# KiCad board CPU2908C3bak.kicad_pcb (continued)
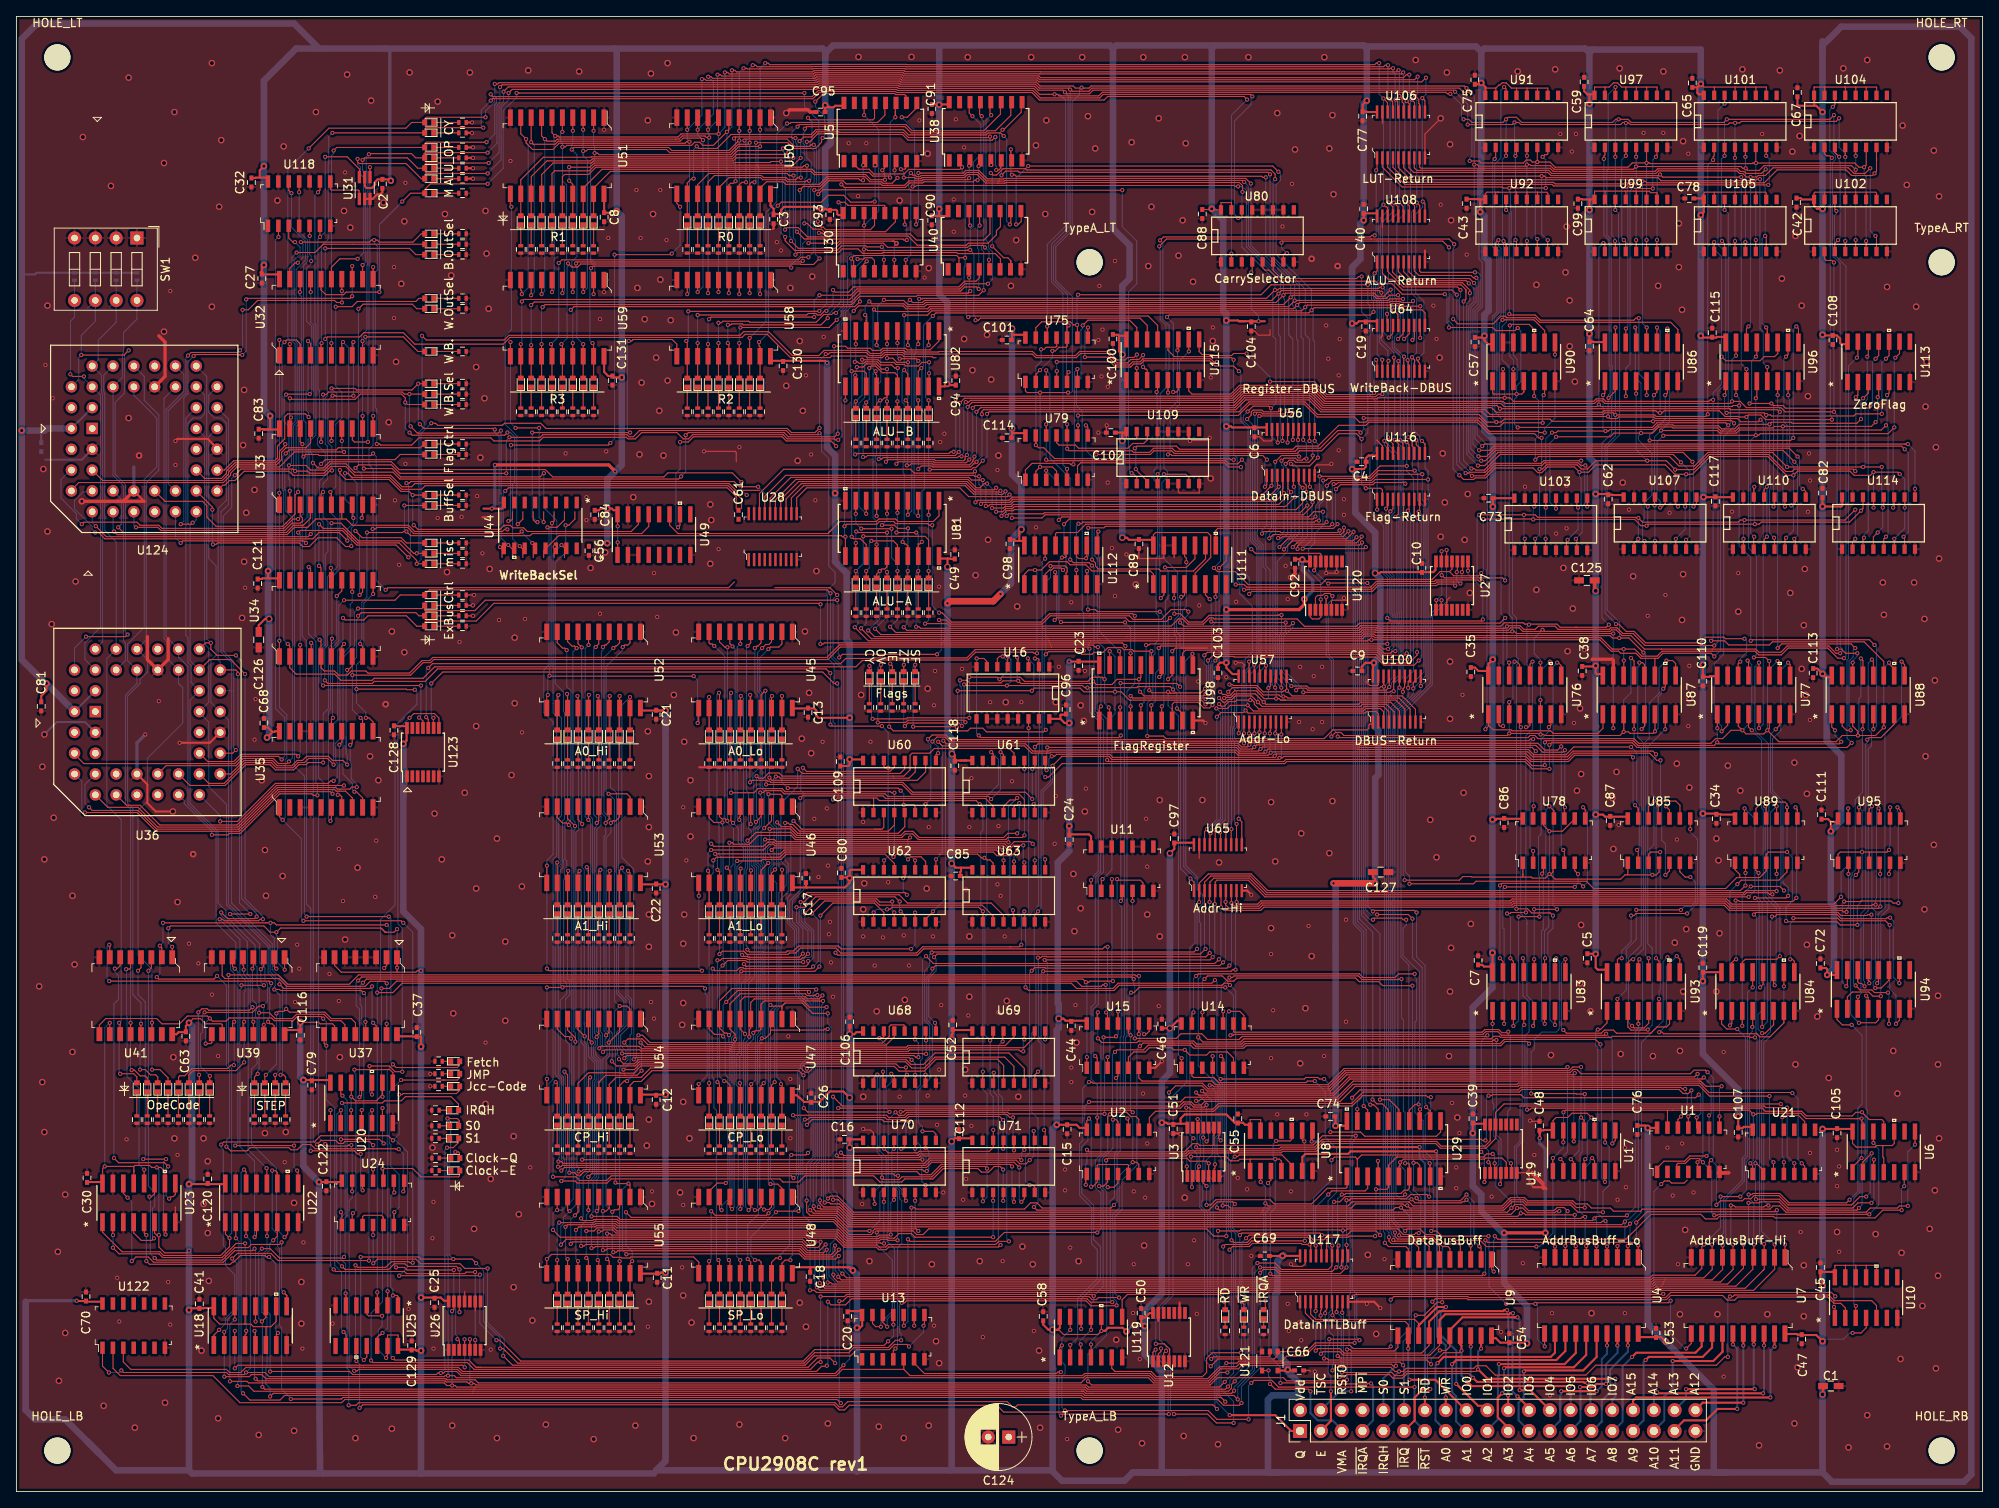
[diagram p0: board, top side]
## Placement (name value [footprint] x y rotation side) (continued)
R175  47K  [R_0402]  32.86 45.39 90 top
R176  47K  [R_0402]  31.59 45.39 90 top
R177  47K  [R_0402]  30.32 45.39 90 top
R178  47K  [R_0402]  29.05 45.39 90 top
R179  47K  [R_0402]  23.59 45.39 90 top
R180  47K  [R_0402]  22.32 45.39 90 top
R181  47K  [R_0402]  21.05 45.39 90 top
R182  47K  [R_0402]  19.78 45.39 90 top
R183  47K  [R_0402]  18.51 45.39 90 top
R184  47K  [R_0402]  17.24 45.39 90 top
R185  47K  [R_0402]  15.97 45.39 90 top
R186  47K  [R_0402]  14.7 45.39 90 top
R187  47K  [R_0402]  51.53 50.98 0 top
R188  47K  [R_0402]  51.53 49.46 0 top
R189  47K  [R_0402]  51.15 46.54 0 top
R190  47K  [R_0402]  51.53 52.51 0 top
S0  LED_G  [LED_0402]  53.44 44.63 0 top
S1  LED_G  [LED_0402]  53.44 43.11 0 top
SW1  SW_DIP_x04  [SW_DIP_x4_W7.62mm_Slide]  14.72 152.96 270 top
TypeA_LB  -  [MountingHole_3.2mm_M3]  131 5 0 top
TypeA_LT  -  [MountingHole_3.2mm_M3]  131 150 0 top
TypeA_RT  -  [MountingHole_3.2mm_M3]  235 150 0 top
U1  74HC08D  [SOIC-14_W3.9mm]  204.07 41.71 0 top
U2  74HC08D  [SOIC-14_W3.9mm]  134.46 41.46 0 top
U3  TC74VHCT04AFT  [TSSOP-14_4.4x5mm_Pitch0.65mm]  144.88 41.46 90 top
U4  TC74VHC574F  [SOIC-20_W7.5mm]  192.25 23.93 270 top
U5  CD74HC253  [SOIC-16W_5.3x10.2mm_Pitch1.27mm]  105.46 165.89 90 top
U6  74HC74  [MC74HC74ADG]  227.94 41.46 90 top
U7  TC74VHC574F  [SOIC-20_W7.5mm]  210.16 23.93 270 top
U8  TC74HC125  [SN74HC11D]  154.4 41.58 90 top
U9  TC74VHC574F  [SOIC-20_W7.5mm]  174.34 23.68 270 top
U10  MC74HC74A  [MC74HC74ADG]  225.78 23.68 90 top
U11  74HC86  [SOIC-14_W3.9mm]  134.97 76 0 top
U12  TC74VHCT04AFT  [TSSOP-14_4.4x5mm_Pitch0.65mm]  140.69 18.85 90 top
U13  74HC08D  [SOIC-14_W3.9mm]  107.03 18.85 0 top
U14  74HC21  [SOIC-14_W3.9mm]  146.02 54.41 0 top
U15  74HC32  [SOIC-14_W3.9mm]  134.46 54.41 0 top
U16  74HC153  [SO-16-N]  121.64 97.46 180 top
U17  MC74HC74A  [MC74HC74ADG]  191.36 41.58 90 top
U18  74HC157  [SN74HC157DR]  28.55 20.25 90 top
U19  TC74VHCT04AFT  [TSSOP-14_4.4x5mm_Pitch0.65mm]  181.2 41.84 90 top
U20  -  [SN74HC11D]  42.13 47.43 90 top
U21  74HC08D  [SOIC-14_W3.9mm]  215.74 41.46 0 top
U22  74HC157  [SN74HC157DR]  29.94 35.23 90 top
U23  74HC157  [SN74HC157DR]  14.96 35.23 90 top
U24  74HC32  [SOIC-14_W3.9mm]  43.53 35.23 0 top
U25  74HC74  [MC74HC74ADG]  42.77 20.25 270 top
U26  TC74VHCT04AFT  [TSSOP-14_4.4x5mm_Pitch0.65mm]  54.71 20.25 90 top
U27  TC74VHCT04AFT  [TSSOP-14_4.4x5mm_Pitch0.65mm]  175.23 110.55 90 top
U28  TC74VHCT541  [TSSOP-20_W4.4mm]  92.32 116.52 0 top
U29  SN74HCT574  [SN74HCT574NSR]  168.12 41.84 90 top
U30  CD74HC253  [SOIC-16W_5.3x10.2mm_Pitch1.27mm]  105.37 152.45 90 top
U31  NC7SZ58  [SOT-363_SC-70-6_Handsoldering]  42.52 159.06 90 top
U32  74HCT273D  [SOIC-20_W7.5mm]  37.82 143.3 90 top
U33  74HCT273D  [SOIC-20_W7.5mm]  37.82 125.06 90 top
U34  74HCT273D  [SOIC-20_W7.5mm]  37.82 106.55 90 top
U35  74HCT273D  [SOIC-20_W7.5mm]  37.82 88.13 90 top
U36  AT27C1024-45JU  [PLCC44]  15.99 93.91 0 top
U37  TC74HC161  [SOIC-16_W7.5mm]  42.01 60.51 180 top
U38  CD74HC253  [SOIC-16W_5.3x10.2mm_Pitch1.27mm]  118.31 165.98 90 top
U39  TC74HC161  [SOIC-16_W7.5mm]  28.29 60.51 180 top
U40  CD74HC253  [SOIC-16W_5.3x10.2mm_Pitch1.27mm]  118.17 152.7 90 top
U41  TC74HC161  [SOIC-16_W7.5mm]  14.57 60.51 180 top
U44  TC74HC238D  [74HC238D]  63.95 117.89 270 top
U45  TC74VHC574F  [SOIC-20_W7.5mm]  89 100.26 270 top
U46  TC74VHC574F  [SOIC-20_W7.5mm]  89 78.92 270 top
U47  TC74VHC574F  [SOIC-20_W7.5mm]  89 53.01 270 top
U48  TC74VHC574F  [SOIC-20_W7.5mm]  89 31.3 270 top
U49  74HC139  [MC74HC139ADR2G]  77.82 116.77 90 top
U50  TC74VHC574F  [SOIC-20_W7.5mm]  86.33 163 270 top
U51  TC74VHC574F  [SOIC-20_W7.5mm]  66.01 163 270 top
U52  TC74VHC574F  [SOIC-20_W7.5mm]  70.45 100.26 270 top
U53  TC74VHC574F  [SOIC-20_W7.5mm]  70.45 78.92 270 top
U54  TC74VHC574F  [SOIC-20_W7.5mm]  70.45 53.01 270 top
U55  TC74VHC574F  [SOIC-20_W7.5mm]  70.45 31.3 270 top
U56  TC74VHCT541  [TSSOP-20_W4.4mm]  155.54 126.8 0 top
U57  TC74VHCT541  [TSSOP-20_W4.4mm]  152.12 96.7 0 top
U58  TC74VHC574F  [SOIC-20_W7.5mm]  86.33 143.18 270 top
U59  TC74VHC574F  [SOIC-20_W7.5mm]  66.01 143.18 270 top
U60  74HC153  [SO-16-N]  107.79 86.03 0 top
U61  74HC153  [SO-16-N]  121.13 86.03 0 top
U62  74HC153  [SO-16-N]  107.79 72.7 0 top
U63  74HC153  [SO-16-N]  121.13 72.7 0 top
U64  TC74VHCT541  [TSSOP-20_W4.4mm]  169.01 139.5 0 top
U65  TC74VHCT541  [TSSOP-20_W4.4mm]  146.66 76.13 0 top
U68  74HC153  [SO-16-N]  107.79 53.01 0 top
U69  74HC153  [SO-16-N]  121.13 53.01 0 top
U70  74HC153  [SO-16-N]  107.79 39.68 0 top
U71  74HC153  [SO-16-N]  121.13 39.68 0 top
U75  74HC32  [SOIC-14_W3.9mm]  126.97 138.1 0 top
U76  74HC157  [SN74HC157DR]  184.12 97.21 90 top
U77  74HC157  [SN74HC157DR]  212.06 97.21 90 top
U78  74HC08D  [SOIC-14_W3.9mm]  187.68 79.43 0 top
U79  74HC08D  [SOIC-14_W3.9mm]  126.97 126.17 0 top
U80  74HC153  [SO-16-N]  151.48 153.22 0 top
U81  74HC377  [SN74HC377NSR]  106.9 117.53 270 top
U82  74HC377  [SN74HC377NSR]  106.9 138.23 270 top
U83  CD74HC283  [CD74HC283M96]  184.63 61.01 90 top
U84  CD74HC283  [CD74HC283M96]  212.57 61.01 90 top
U85  74HC08D  [SOIC-14_W3.9mm]  200.5 79.43 0 top
U86  CD74HC283  [CD74HC283M96]  198.34 137.85 90 top
U87  74HC157  [SN74HC157DR]  198.09 97.21 90 top
U88  74HC157  [SN74HC157DR]  226.03 97.21 90 top
U89  74HC08D  [SOIC-14_W3.9mm]  213.58 79.43 0 top
U90  SN74AHC86  [SN74AHC86D]  183.99 137.85 90 top
U91  74HC153  [SO-16-N]  183.74 167.19 0 top
U92  74HC153  [SO-16-N]  183.74 154.49 0 top
U93  CD74HC283  [CD74HC283M96]  198.6 61.01 90 top
U94  CD74HC283  [CD74HC283M96]  226.66 61.27 90 top
U95  74HC08D  [SOIC-14_W3.9mm]  226.16 79.43 0 top
U96  CD74HC283  [CD74HC283M96]  213.08 137.85 90 top
U97  74HC153  [SO-16-N]  197.07 167.19 0 top
U98  74HC377  [SN74HC377NSR]  137.89 97.46 90 top
U99  74HC153  [SO-16-N]  197.07 154.49 0 top
U100  TC74VHCT541  [TSSOP-20_W4.4mm]  168.5 96.7 0 top
U101  74HC153  [SO-16-N]  210.41 167.19 0 top
U102  74HC153  [SO-16-N]  223.87 154.49 0 top
U103  74HC153  [SO-16-N]  187.29 118.04 0 top
U104  74HC153  [SO-16-N]  223.87 167.19 0 top
U105  74HC153  [SO-16-N]  210.41 154.49 0 top
U106  TC74VHCT541  [TSSOP-20_W4.4mm]  169.01 165.54 0 top
U107  74HC153  [SO-16-N]  200.63 118.17 0 top
U108  TC74VHCT541  [TSSOP-20_W4.4mm]  169.01 152.84 0 top
U109  74HC153  [SO-16-N]  139.92 126.17 0 top
U110  74HC153  [SO-16-N]  213.97 118.17 0 top
U111  74HC157  [SN74HC157DR]  143.23 113.08 90 top
U112  74HC157  [SN74HC157DR]  127.48 113.08 90 top
U113  TC74HC4078  [SN74HC11D]  227.32 137.85 90 top
U114  74HC153  [SO-16-N]  227.3 118.17 0 top
U115  74HC139  [MC74HC139ADR2G]  139.92 138.1 90 top
U116  TC74VHCT541  [TSSOP-20_W4.4mm]  169.01 123.88 0 top
U117  TC74VHCT541  [TSSOP-20_W4.4mm]  159.61 25.96 0 top
U118  MC74ACT125  [SOIC-14_W3.9mm]  34.51 157.15 0 top
U119  74HC74  [MC74HC74ADG]  131.16 18.85 90 top
U120  TC74VHCT04AFT  [TSSOP-14_4.4x5mm_Pitch0.65mm]  159.86 110.55 90 top
U121  74AHC1G32  [TSOP-5_1.65x3.05mm_Pitch0.95mm]  153 15.93 270 top
U122  74HC08D  [SOIC-14_W3.9mm]  14.32 20.25 0 top
U123  TC74VHCT04AFT  [TSSOP-14_4.4x5mm_Pitch0.65mm]  49.63 90.22 90 top
U124  AT27C1024-45JU  [PLCC44]  15.61 128.45 0 top

## Footprints (pads in the part's own frame, mm; a bottom-side part is the same pattern mirrored in y, then rotated)
74HC238D
  rect 1.422x0.508 smd: 1(-2.794,4.445) 2(-2.794,3.175) 3(-2.794,1.905) 4(-2.794,0.635) 5(-2.794,-0.635) 6(-2.794,-1.905) 7(-2.794,-3.175) 8(-2.794,-4.445) 9(2.794,-4.445) 10(2.794,-3.175) 11(2.794,-1.905) 12(2.794,-0.635) 13(2.794,0.635) 14(2.794,1.905) 15(2.794,3.175) 16(2.794,4.445)
C_0402
  rect 0.6x0.5 smd: 1(-0.55,0) 2(0.55,0)
C_0603_HandSoldering
  rect 1.2x0.75 smd: 1(-0.95,0) 2(0.95,0)
CD74HC283M96
  rect 2.184x0.559 smd: 1(-2.362,4.445) 2(-2.362,3.175) 3(-2.362,1.905) 4(-2.362,0.635) 5(-2.362,-0.635) 6(-2.362,-1.905) 7(-2.362,-3.175) 8(-2.362,-4.445) 9(2.362,-4.445) 10(2.362,-3.175) 11(2.362,-1.905) 12(2.362,-0.635) 13(2.362,0.635) 14(2.362,1.905) 15(2.362,3.175) 16(2.362,4.445)
CP_Radial_D8.0mm_P2.50mm
  rect 1.6x1.6 hole 0.8: 1(0,0)
  round 1.6 hole 0.8: 2(2.5,0)
LED_0402
  rect 0.6x0.7 smd: 1(-0.55,0) 2(0.55,0)
MC74HC74ADG
  rect 1.956x0.533 smd: 1(-2.477,3.81) 2(-2.477,2.54) 3(-2.477,1.27) 4(-2.477,0) 5(-2.477,-1.27) 6(-2.477,-2.54) 7(-2.477,-3.81) 8(2.477,-3.81) 9(2.477,-2.54) 10(2.477,-1.27) 11(2.477,0) 12(2.477,1.27) 13(2.477,2.54) 14(2.477,3.81)
MC74HC139ADR2G
  rect 1.956x0.533 smd: 1(-2.477,4.445) 2(-2.477,3.175) 3(-2.477,1.905) 4(-2.477,0.635) 5(-2.477,-0.635) 6(-2.477,-1.905) 7(-2.477,-3.175) 8(-2.477,-4.445) 9(2.477,-4.445) 10(2.477,-3.175) 11(2.477,-1.905) 12(2.477,-0.635) 13(2.477,0.635) 14(2.477,1.905) 15(2.477,3.175) 16(2.477,4.445)
MountingHole_3.2mm_M3
  round 3.2 hole 3.2 unplated: (0,0)
Pin_Header_Straight_2x20_Pitch2.54mm
  rect 1.7x1.7 hole 1: 1(0,0)
  oval 1.7x1.7 hole 1: 2(2.54,0) 3(0,-2.54) 4(2.54,-2.54) 5(0,-5.08) 6(2.54,-5.08) 7(0,-7.62) 8(2.54,-7.62) 9(0,-10.16) 10(2.54,-10.16) 11(0,-12.7) 12(2.54,-12.7) 13(0,-15.24) 14(2.54,-15.24) 15(0,-17.78) 16(2.54,-17.78) 17(0,-20.32) 18(2.54,-20.32) 19(0,-22.86) 20(2.54,-22.86) 21(0,-25.4) 22(2.54,-25.4) 23(0,-27.94) 24(2.54,-27.94) 25(0,-30.48) 26(2.54,-30.48) 27(0,-33.02) 28(2.54,-33.02) 29(0,-35.56) 30(2.54,-35.56) 31(0,-38.1) 32(2.54,-38.1) 33(0,-40.64) 34(2.54,-40.64) 35(0,-43.18) 36(2.54,-43.18) 37(0,-45.72) 38(2.54,-45.72) 39(0,-48.26) 40(2.54,-48.26)
PLCC44
  rect 1.397x1.397 hole 0.813: 1(-6.35,1.27)
  round 1.397 hole 0.813: 2(-8.89,-1.27) 3(-6.35,-1.27) 4(-8.89,-3.81) 5(-6.35,-3.81) 6(-8.89,-6.35) 7(-6.35,-8.89) 8(-6.35,-6.35) 9(-3.81,-8.89) 10(-3.81,-6.35) 11(-1.27,-8.89) 12(-1.27,-6.35) 13(1.27,-8.89) 14(1.27,-6.35) 15(3.81,-8.89) 16(3.81,-6.35) 17(6.35,-8.89) 18(8.89,-6.35) 19(6.35,-6.35) 20(8.89,-3.81) 21(6.35,-3.81) 22(8.89,-1.27) 23(6.35,-1.27) 24(8.89,1.27) 25(6.35,1.27) 26(8.89,3.81) 27(6.35,3.81) 28(8.89,6.35) 29(6.35,8.89) 30(6.35,6.35) 31(3.81,8.89) 32(3.81,6.35) 33(1.27,8.89) 34(1.27,6.35) 35(-1.27,8.89) 36(-1.27,6.35) 37(-3.81,8.89) 38(-3.81,6.35) 39(-6.35,8.89) 40(-8.89,6.35) 41(-6.35,6.35) 42(-8.89,3.81) 43(-6.35,3.81) 44(-8.89,1.27)
R_0402
  rect 0.4x0.6 smd: 1(-0.45,0) 2(0.45,0)
SN74AHC86D
  rect 2.184x0.559 smd: 1(-2.362,3.81) 2(-2.362,2.54) 3(-2.362,1.27) 4(-2.362,0) 5(-2.362,-1.27) 6(-2.362,-2.54) 7(-2.362,-3.81) 8(2.362,-3.81) 9(2.362,-2.54) 10(2.362,-1.27) 11(2.362,0) 12(2.362,1.27) 13(2.362,2.54) 14(2.362,3.81)
SN74HC11D
  rect 1.981x0.559 smd: 1(-2.464,3.81) 2(-2.464,2.54) 3(-2.464,1.27) 4(-2.464,0) 5(-2.464,-1.27) 6(-2.464,-2.54) 7(-2.464,-3.81) 8(2.464,-3.81) 9(2.464,-2.54) 10(2.464,-1.27) 11(2.464,0) 12(2.464,1.27) 13(2.464,2.54) 14(2.464,3.81)
SN74HC157DR
  rect 2.184x0.559 smd: 1(-2.362,4.445) 2(-2.362,3.175) 3(-2.362,1.905) 4(-2.362,0.635) 5(-2.362,-0.635) 6(-2.362,-1.905) 7(-2.362,-3.175) 8(-2.362,-4.445) 9(2.362,-4.445) 10(2.362,-3.175) 11(2.362,-1.905) 12(2.362,-0.635) 13(2.362,0.635) 14(2.362,1.905) 15(2.362,3.175) 16(2.362,4.445)
SN74HC377NSR
  rect 2.159x0.559 smd: 1(-3.378,5.715) 2(-3.378,4.445) 3(-3.378,3.175) 4(-3.378,1.905) 5(-3.378,0.635) 6(-3.378,-0.635) 7(-3.378,-1.905) 8(-3.378,-3.175) 9(-3.378,-4.445) 10(-3.378,-5.715) 11(3.378,-5.715) 12(3.378,-4.445) 13(3.378,-3.175) 14(3.378,-1.905) 15(3.378,-0.635) 16(3.378,0.635) 17(3.378,1.905) 18(3.378,3.175) 19(3.378,4.445) 20(3.378,5.715)
SN74HCT574NSR
  rect 2.159x0.559 smd: 1(-3.378,5.715) 2(-3.378,4.445) 3(-3.378,3.175) 4(-3.378,1.905) 5(-3.378,0.635) 6(-3.378,-0.635) 7(-3.378,-1.905) 8(-3.378,-3.175) 9(-3.378,-4.445) 10(-3.378,-5.715) 11(3.378,-5.715) 12(3.378,-4.445) 13(3.378,-3.175) 14(3.378,-1.905) 15(3.378,-0.635) 16(3.378,0.635) 17(3.378,1.905) 18(3.378,3.175) 19(3.378,4.445) 20(3.378,5.715)
SO-16-N
  rect 0.508x1.143 smd: 1(-4.445,-3.175) 2(-3.175,-3.175) 3(-1.905,-3.175) 4(-0.635,-3.175) 5(0.635,-3.175) 6(1.905,-3.175) 7(3.175,-3.175) 8(4.445,-3.175) 9(4.445,3.175) 10(3.175,3.175) 11(1.905,3.175) 12(0.635,3.175) 13(-0.635,3.175) 14(-1.905,3.175) 15(-3.175,3.175) 16(-4.445,3.175)
SOIC-14_W3.9mm
  rect 0.55x1.5 smd: 1(-3.81,-2.7) 2(-2.54,-2.7) 3(-1.27,-2.7) 4(0,-2.7) 5(1.27,-2.7) 6(2.54,-2.7) 7(3.81,-2.7) 8(3.81,2.7) 9(2.54,2.7) 10(1.27,2.7) 11(0,2.7) 12(-1.27,2.7) 13(-2.54,2.7) 14(-3.81,2.7)
SOIC-16_W7.5mm
  rect 0.7x1.7 smd: 1(-4.445,-4.69) 2(-3.175,-4.69) 3(-1.905,-4.69) 4(-0.635,-4.69) 5(0.635,-4.69) 6(1.905,-4.69) 7(3.175,-4.69) 8(4.445,-4.69) 9(4.445,4.69) 10(3.175,4.69) 11(1.905,4.69) 12(0.635,4.69) 13(-0.635,4.69) 14(-1.905,4.69) 15(-3.175,4.69) 16(-4.445,4.69)
SOIC-16W_5.3x10.2mm_Pitch1.27mm
  rect 1.5x0.6 smd: 1(-3.55,4.445) 2(-3.55,3.175) 3(-3.55,1.905) 4(-3.55,0.635) 5(-3.55,-0.635) 6(-3.55,-1.905) 7(-3.55,-3.175) 8(-3.55,-4.445) 9(3.55,-4.445) 10(3.55,-3.175) 11(3.55,-1.905) 12(3.55,-0.635) 13(3.55,0.635) 14(3.55,1.905) 15(3.55,3.175) 16(3.55,4.445)
SOIC-20_W7.5mm
  rect 2x0.6 smd: 1(-4.65,5.715) 2(-4.65,4.445) 3(-4.65,3.175) 4(-4.65,1.905) 5(-4.65,0.635) 6(-4.65,-0.635) 7(-4.65,-1.905) 8(-4.65,-3.175) 9(-4.65,-4.445) 10(-4.65,-5.715) 11(4.65,-5.715) 12(4.65,-4.445) 13(4.65,-3.175) 14(4.65,-1.905) 15(4.65,-0.635) 16(4.65,0.635) 17(4.65,1.905) 18(4.65,3.175) 19(4.65,4.445) 20(4.65,5.715)
SOT-363_SC-70-6_Handsoldering
  rect 1.5x0.4 smd: 1(-1.33,0.65) 2(-1.33,0) 3(-1.33,-0.65) 4(1.33,-0.65) 5(1.33,0) 6(1.33,0.65)
SW_DIP_x4_W7.62mm_Slide
  rect 1.6x1.6 hole 0.8: 1(0,0)
  oval 1.6x1.6 hole 0.8: 2(0,-2.54) 3(0,-5.08) 4(0,-7.62) 5(7.62,-7.62) 6(7.62,-5.08) 7(7.62,-2.54) 8(7.62,0)
TSOP-5_1.65x3.05mm_Pitch0.95mm
  rect 0.7x0.51 smd: 1(-1.16,0.95) 2(-1.16,0) 3(-1.16,-0.95) 4(1.16,-0.95) 6(1.16,0.95)
TSSOP-14_4.4x5mm_Pitch0.65mm
  rect 1.45x0.45 smd: 1(-2.95,1.95) 2(-2.95,1.3) 3(-2.95,0.65) 4(-2.95,0) 5(-2.95,-0.65) 6(-2.95,-1.3) 7(-2.95,-1.95) 8(2.95,-1.95) 9(2.95,-1.3) 10(2.95,-0.65) 11(2.95,0) 12(2.95,0.65) 13(2.95,1.3) 14(2.95,1.95)
TSSOP-20_W4.4mm
  rect 0.3x1.6 smd: 1(-2.925,-2.8) 2(-2.275,-2.8) 3(-1.625,-2.8) 4(-0.975,-2.8) 5(-0.325,-2.8) 6(0.325,-2.8) 7(0.975,-2.8) 8(1.625,-2.8) 9(2.275,-2.8) 10(2.925,-2.8) 11(2.925,2.8) 12(2.275,2.8) 13(1.625,2.8) 14(0.975,2.8) 15(0.325,2.8) 16(-0.325,2.8) 17(-0.975,2.8) 18(-1.625,2.8) 19(-2.275,2.8) 20(-2.925,2.8)

## Nets
+5V: C1.1 C2.1 C3.1 C4.1 C5.1 C6.1 C7.1 C8.1 C9.1 C10.1 C11.1 C12.1 C13.1 C15.1 C16.1 C17.1 C18.1 C19.1 C20.1 C21.1 C22.1 C23.1 C24.1 C25.1 C26.1 C27.1 C28.1 C30.1 C32.1 C34.1 C35.1 C37.1 C38.1 C39.1 C40.1 C41.1 C42.1 C43.1 C44.1 C45.1 C46.1 C47.1 C48.1 C49.1 C50.1 C51.1 C52.1 C53.1 C54.1 C55.1 C56.1 C57.1 C58.1 C59.1 C61.1 C62.1 C63.1 C64.1 C65.1 C66.1 C67.1 C68.1 C69.1 C70.1 C72.1 C73.1 C74.1 C75.1 C76.1 C77.1 C78.1 C79.1 C80.1 C81.1 C82.1 C83.1 C84.1 C85.1 C86.1 C87.1 C88.1 C89.1 C90.1 C91.1 C92.1 C93.1 C94.1 C95.1 C96.1 C97.1 C98.1 C99.1 C100.1 C101.1 C102.1 C103.1 C104.1 C105.1 C106.1 C107.1 C108.1 C109.1 C110.1 C111.1 C112.1 C113.1 C114.1 C115.1 C116.1 C117.1 C118.1 C119.1 C120.1 C121.1 C122.1 C124.1 C125.1 C126.1 C127.1 C128.1 C129.1 C130.1 C131.1 J1.2 R129.1 R148.1 R149.1 R150.1 U1.14 U2.2 U2.5 U2.14 U3.14 U4.20 U5.16 U6.4 U6.10 U6.14 U7.20 U8.13 U8.14 U9.20 U10.4 U10.10 U10.11 U10.12 U10.13 U10.14 U11.14 U12.14 U13.14 U14.14 U15.14 U16.16 U17.4 U17.10 U17.14 U18.6 U18.10 U18.13 U18.16 U19.14 U20.14 U21.14 U22.16 U23.6 U23.10 U23.13 U23.16 U24.14 U25.4 U25.13 U25.14 U26.14 U27.14 U28.20 U29.20 U30.16 U31.5 U32.20 U33.20 U34.20 U35.20 U36.43 U36.44 U37.1 U37.7 U37.10 U37.16 U38.16 U39.1 U39.10 U39.16 U40.16 U41.1 U41.10 U41.16 U44.16 U45.20 U46.20 U47.20 U48.20 U49.1 U49.16 U50.20 U51.20 U52.20 U53.20 U54.20 U55.20 U56.20 U57.20 U58.20 U59.20 U60.16 U61.16 U62.16 U63.16 U64.20 U65.20 U68.16 U69.16 U70.16 U71.16 U75.14 U76.16 U77.16 U78.14 U79.14 U80.4 U80.15 U80.16 U81.20 U82.20 U83.16 U84.16 U85.14 U86.16 U87.16 U88.16 U89.14 U90.14 U91.10 U91.11 U91.12 U91.13 U91.15 U91.16 U92.10 U92.11 U92.12 U92.13 U92.15 U92.16 U93.16 U94.16 U95.14 U96.16 U97.10 U97.11 U97.12 U97.13 U97.15 U97.16 U98.20 U99.10 U99.11 U99.12 U99.13 U99.15 U99.16 U100.20 U101.10 U101.11 U101.12 U101.13 U101.15 U101.16 U102.10 U102.11 U102.12 U102.13 U102.15 U102.16 U103.16 U104.10 U104.11 U104.12 U104.13 U104.15 U104.16 U105.10 U105.11 U105.12 U105.13 U105.15 U105.16 U106.20 U107.16 U108.20 U109.15 U109.16 U110.16 U111.5 U111.16 U112.16 U113.14 U114.16 U115.16 U116.20 U117.20 U118.14 U119.4 U119.10 U119.14 U120.14 U121.6 U122.14 U123.14 U124.43 U124.44
GND: C1.2 C2.2 C3.2 C4.2 C5.2 C6.2 C7.2 C8.2 C9.2 C10.2 C11.2 C12.2 C13.2 C15.2 C16.2 C17.2 C18.2 C19.2 C20.2 C21.2 C22.2 C23.2 C24.2 C25.2 C26.2 C27.2 C28.2 C30.2 C32.2 C34.2 C35.2 C37.2 C38.2 C39.2 C40.2 C41.2 C42.2 C43.2 C44.2 C45.2 C46.2 C47.2 C48.2 C49.2 C50.2 C51.2 C52.2 C53.2 C54.2 C55.2 C56.2 C57.2 C58.2 C59.2 C61.2 C62.2 C63.2 C64.2 C65.2 C66.2 C67.2 C68.2 C69.2 C70.2 C72.2 C73.2 C74.2 C75.2 C76.2 C77.2 C78.2 C79.2 C80.2 C81.2 C82.2 C83.2 C84.2 C85.2 C86.2 C87.2 C88.2 C89.2 C90.2 C91.2 C92.2 C93.2 C94.2 C95.2 C96.2 C97.2 C98.2 C99.2 C100.2 C101.2 C102.2 C103.2 C104.2 C105.2 C106.2 C107.2 C108.2 C109.2 C110.2 C111.2 C112.2 C113.2 C114.2 C115.2 C116.2 C117.2 C118.2 C119.2 C120.2 C121.2 C122.2 C124.2 C125.2 C126.2 C127.2 C128.2 C129.2 C130.2 C131.2 J1.39 R1.1 R2.1 R3.1 R4.1 R5.1 R6.1 R7.1 R8.1 R9.1 R10.1 R11.1 R12.1 R13.1 R14.1 R15.1 R16.1 R17.1 R18.1 R19.1 R20.1 R21.1 R22.1 R23.1 R24.1 R25.1 R26.1 R27.1 R28.1 R29.1 R30.1 R31.1 R32.1 R33.1 R34.1 R35.1 R36.1 R37.1 R38.1 R39.1 R40.1 R41.1 R42.1 R43.1 R44.1 R45.1 R46.1 R47.1 R48.1 R49.1 R50.1 R51.1 R52.1 R53.1 R54.1 R55.1 R56.1 R57.1 R58.1 R59.1 R60.1 R61.1 R62.1 R63.1 R64.1 R65.1 R66.1 R67.1 R68.1 R69.1 R70.1 R71.1 R72.1 R73.1 R74.1 R75.1 R76.1 R77.1 R78.1 R79.1 R80.1 R81.1 R82.1 R83.1 R84.1 R85.1 R86.1 R87.1 R88.1 R89.1 R90.1 R91.1 R92.1 R93.1 R94.1 R95.1 R96.1 R97.1 R98.1 R99.1 R100.1 R101.1 R102.1 R103.1 R104.1 R105.1 R106.1 R107.1 R108.1 R109.1 R110.1 R111.1 R112.1 R113.1 R114.1 R115.1 R116.1 R117.1 R118.1 R119.1 R120.1 R121.1 R122.1 R123.1 R124.1 R125.1 R126.1 R127.1 R128.1 R130.1 R131.1 R132.1 R133.1 R134.1 R135.1 R136.1 R137.1 R138.1 R139.1 R140.1 R141.1 R142.1 R143.1 R144.1 R145.1 R146.1 R147.1 R170.1 R171.1 R172.1 R173.1 R174.1 R175.1 R176.1 R177.1 R178.1 R179.1 R180.1 R181.1 R182.1 R183.1 R184.1 R185.1 R186.1 R187.1 R188.1 R189.1 R190.1 SW1.1 SW1.2 SW1.3 SW1.4 U1.7 U2.7 U3.7 U4.10 U5.8 U6.7 U7.10 U8.7 U8.12 U9.10 U10.7 U11.7 U11.9 U11.10 U11.12 U11.13 U12.7 U12.9 U12.13 U13.7 U14.7 U15.7 U16.1 U16.8 U16.10 U16.11 U16.12 U16.13 U16.15 U17.7 U18.8 U18.15 U19.7 U20.7 U21.7 U22.8 U22.10 U22.13 U22.15 U23.3 U23.8 U23.15 U24.7 U25.7 U26.1 U26.7 U26.9 U26.11 U27.3 U27.7 U28.10 U28.19 U29.10 U30.8 U31.2 U31.3 U32.10 U33.10 U34.10 U34.18 U35.3 U35.4 U35.10 U35.17 U35.18 U36.3 U36.12 U36.22 U36.34 U37.3 U37.4 U37.5 U37.6 U37.8 U38.8 U39.8 U40.8 U41.8 U44.8 U45.1 U45.10 U46.1 U46.10 U47.1 U47.10 U48.1 U48.10 U49.2 U49.3 U49.8 U49.15 U50.1 U50.10 U51.1 U51.10 U52.1 U52.10 U53.1 U53.10 U54.1 U54.10 U55.1 U55.10 U56.10 U56.19 U57.10 U57.19 U58.1 U58.10 U59.1 U59.10 U60.1 U60.8 U60.15 U61.1 U61.8 U61.15 U62.1 U62.8 U62.15 U63.1 U63.8 U63.15 U64.10 U64.19 U65.10 U65.19 U68.1 U68.8 U68.15 U69.1 U69.8 U69.15 U70.1 U70.8 U70.15 U71.1 U71.8 U71.15 U75.7 U76.8 U76.15 U77.8 U77.15 U78.7 U79.7 U80.1 U80.3 U80.8 U80.10 U80.11 U80.12 U80.13 U81.10 U82.10 U83.8 U84.8 U85.7 U86.8 U87.8 U87.15 U88.8 U88.15 U89.7 U90.7 U90.12 U90.13 U91.1 U91.8 U92.1 U92.8 U93.8 U94.8 U95.7 U96.8 U97.1 U97.8 U98.10 U99.1 U99.8 U100.10 U100.19 U101.1 U101.8 U102.1 U102.8 U103.1 U103.5 U103.8 U103.11 U103.15 U104.1 U104.8 U105.1 U105.8 U106.10 U106.19 U107.1 U107.5 U107.8 U107.15 U108.10 U108.19 U109.1 U109.5 U109.6 U109.8 U109.10 U109.11 U109.12 U109.13 U110.1 U110.8 U110.15 U111.8 U111.14 U111.15 U112.2 U112.8 U112.15 U113.7 U114.1 U114.8 U114.15 U115.1 U115.8 U116.10 U116.19 U117.1 U117.10 U117.19 U118.1 U118.4 U118.7 U118.10 U118.13 U119.7 U120.5 U120.7 U120.9 U120.11 U121.3 U122.7 U123.1 U123.7 U124.3 U124.12 U124.22 U124.34
/A0: J1.15 U4.12
/A1: J1.17 U4.13
/A2: J1.19 U4.14
/A3: J1.21 U4.15
/A4: J1.23 U4.16
/A5: J1.25 U4.17
/A6: J1.27 U4.18
/A7: J1.29 U4.19
/A8: J1.31 U7.12
/A9: J1.33 U7.13
/A10: J1.35 U7.14
/A11: J1.37 U7.15
/A12: J1.40 U7.16
/A13: J1.38 U7.17
/A14: J1.36 U7.18
/A15: J1.34 U7.19
/clkE: J1.3 U2.1 U3.9
/clkQ: J1.1 U2.4 U3.5
/D0: U18.2 U19.1 U20.5 U29.2 U117.18
/D1: U16.14 U18.5 U26.5 U29.3 U117.17
/D2: U16.2 U18.14 U26.13 U29.4 U117.16
/D3: U18.11 U19.3 U20.13 U29.5 U117.15
/D4: U19.5 U22.2 U29.6 U117.14
/D5: U14.10 U22.5 U29.7 U117.13
/D6: U14.12 U22.14 U29.8 U117.12
/D7: U14.13 U22.11 U29.9 U117.11
/DataOutEnable: U6.6 U9.1
/E: D161.2 U2.3 U2.9 U2.12 U6.11 U10.3 U24.10 U119.3 U119.11
/EA0: U4.9 U45.2 U46.2 U47.2 U48.2 U83.4
/EA1: U4.8 U45.3 U46.3 U47.3 U48.3 U83.1
/EA2: U4.7 U45.4 U46.4 U47.4 U48.4 U83.13
/EA3: U4.6 U45.5 U46.5 U47.5 U48.5 U83.10
/EA4: U4.5 U45.6 U46.6 U47.6 U48.6 U93.4
/EA5: U4.4 U45.7 U46.7 U47.7 U48.7 U93.1
/EA6: U4.3 U45.8 U46.8 U47.8 U48.8 U93.13
/EA7: U4.2 U45.9 U46.9 U47.9 U48.9 U93.10
/EA8: U7.9 U52.2 U53.2 U54.2 U55.2 U84.4
/EA9: U7.8 U52.3 U53.3 U54.3 U55.3 U84.1
/EA10: U7.7 U52.4 U53.4 U54.4 U55.4 U84.13
/EA11: U7.6 U52.5 U53.5 U54.5 U55.5 U84.10
/EA12: U7.5 U52.6 U53.6 U54.6 U55.6 U94.4
/EA13: U7.4 U52.7 U53.7 U54.7 U55.7 U94.1
/EA14: U7.3 U52.8 U53.8 U54.8 U55.8 U94.13
/EA15: U7.2 U52.9 U53.9 U54.9 U55.9 U94.10
/ED0: U9.9 U50.2 U51.2 U58.2 U59.2 U64.2 U100.18 U106.18 U108.18 U111.3 U116.18
/ED1: U9.8 U50.3 U51.3 U58.3 U59.3 U64.3 U100.17 U106.17 U108.17 U111.6 U116.17
/ED2: U9.7 U50.4 U51.4 U58.4 U59.4 U64.4 U100.16 U106.16 U108.16 U111.13 U116.16
/ED3: U9.6 U50.5 U51.5 U58.5 U59.5 U64.5 U100.15 U106.15 U108.15 U111.10 U116.15
/ED4: U9.5 U50.6 U51.6 U58.6 U59.6 U64.6 U100.14 U106.14 U108.14 U112.3 U116.14
/ED5: U9.4 U50.7 U51.7 U58.7 U59.7 U64.7 U100.13 U106.13 U108.13 U112.6 U116.13
/ED6: U9.3 U50.8 U51.8 U58.8 U59.8 U64.8 U100.12 U106.12 U108.12 U112.13 U116.12
/ED7: U9.2 U50.9 U51.9 U58.9 U59.9 U64.9 U100.11 U106.11 U108.11 U112.10 U112.11 U116.11
/ExBusCtrl0: D24.2 U1.1 U35.6 U121.2
/ExBusCtrl1: D25.2 U35.9 U121.1
/ExBusCtrl2: D26.2 U2.13 U35.12
/ExBusCtrl3: D27.2 U2.10 U35.15
/Executer/AHO0: U78.3 U83.6
/Executer/AHO1: U78.6 U83.2
/Executer/AHO2: U78.8 U83.15
/Executer/AHO3: U78.11 U83.11
/Executer/AHO4: U85.3 U93.6
/Executer/AHO5: U85.6 U93.2
/Executer/AHO6: U85.8 U93.15
/Executer/AHO7: U85.11 U93.11
/Executer/AHO8: U84.6 U89.3
/Executer/AHO9: U84.2 U89.6
/Executer/AHO10: U84.15 U89.8
/Executer/AHO11: U84.11 U89.11
/Executer/AHO12: U94.6 U95.3
/Executer/AHO13: U94.2 U95.6
/Executer/AHO14: U94.15 U95.8
/Executer/AHO15: U94.11 U95.11
/Executer/ALU0: U86.4 U103.3 U107.11 U109.3 U113.2
/Executer/ALU1: U86.1 U103.4 U103.13 U110.5 U113.3
/Executer/ALU2: U86.13 U103.12 U107.3 U110.11 U113.4
/Executer/ALU3: U86.10 U107.4 U107.13 U113.5 U114.5
/Executer/ALU4: U96.4 U107.12 U110.3 U113.9 U114.11
/Executer/ALU5: U96.1 U110.4 U110.13 U113.10
/Executer/ALU6: U96.13 U110.12 U113.11 U114.3
/Executer/ALU7: U90.5 U96.10 U113.12 U114.4 U114.12
/Executer/ALU_A0: D129.2 U76.2 U81.2 U91.14
/Executer/ALU_A1: D130.2 U76.5 U81.5 U97.14
/Executer/ALU_A2: D131.2 U76.14 U81.6 U101.14
/Executer/ALU_A3: D132.2 U76.11 U81.9 U104.14
/Executer/ALU_A4: D133.2 U81.12 U87.2 U92.14
/Executer/ALU_A5: D134.2 U81.15 U87.5 U99.14
/Executer/ALU_A6: D135.2 U81.16 U87.14 U102.14
/Executer/ALU_A7: D136.2 U80.5 U81.19 U87.11 U90.1 U90.4 U105.14 U120.13
/Executer/ALU_B0: D137.2 U77.2 U82.2 U86.6 U91.2
/Executer/ALU_B1: D138.2 U77.5 U82.5 U86.2 U97.2
/Executer/ALU_B2: D139.2 U77.14 U82.6 U86.15 U101.2
/Executer/ALU_B3: D140.2 U77.11 U82.9 U86.11 U104.2
/Executer/ALU_B4: D141.2 U82.12 U88.2 U92.2 U96.6
/Executer/ALU_B5: D142.2 U82.15 U88.5 U96.2 U99.2
/Executer/ALU_B6: D143.2 U82.16 U88.14 U96.15 U102.2
/Executer/ALU_B7: D144.2 U82.19 U88.11 U90.2 U96.11 U105.2
/Executer/ALU_CY0: D1.2 U32.2 U80.14
/Executer/ALU_CY1: D2.2 U32.5 U80.2
/Executer/ALU_L0: U86.5 U91.7 U106.2
/Executer/ALU_L1: U86.3 U97.7 U106.3
/Executer/ALU_L2: U86.14 U101.7 U106.4
/Executer/ALU_L3: U86.12 U104.7 U106.5
/Executer/ALU_L4: U92.7 U96.5 U106.6
/Executer/ALU_L5: U96.3 U99.7 U106.7
/Executer/ALU_L6: U96.14 U102.7 U106.8
/Executer/ALU_L7: U96.12 U105.7 U106.9
/Executer/ALU_M: D7.2 U32.16 U109.2
/Executer/ALU_O0: U103.7 U108.2
/Executer/ALU_O1: U103.9 U108.3
/Executer/ALU_O2: U107.7 U108.4
/Executer/ALU_O3: U107.9 U108.5
/Executer/ALU_O4: U108.6 U110.7
/Executer/ALU_O5: U108.7 U110.9
/Executer/ALU_O6: U108.8 U114.7
/Executer/ALU_O7: U108.9 U114.9
/Executer/ALU_OP0: D3.2 U32.6 U75.1 U79.2 U79.4 U91.6 U92.6 U97.6 U99.6 U101.6 U102.6 U104.6 U105.6
/Executer/ALU_OP1: D4.2 U32.9 U75.2 U75.5 U75.10 U76.1 U87.1 U91.5 U92.5 U97.5 U99.5 U101.5 U102.5 U104.5 U105.5
/Executer/ALU_OP2: D5.2 U32.12 U79.5 U83.7 U91.4 U92.4 U97.4 U99.4 U101.4 U102.4 U104.4 U105.4
/Executer/ALU_OP3: D6.2 U27.1 U27.13 U32.15 U75.12 U90.9 U91.3 U92.3 U97.3 U99.3 U101.3 U102.3 U104.3 U105.3
/Executer/BR_SEL0: D8.2 U5.14 U30.14 U32.19 U38.14 U40.14 U115.14
/Executer/BR_SEL1: D9.2 U5.2 U30.2 U33.2 U38.2 U40.2 U115.13
/Executer/BR_SEL2: D10.2 U5.1 U5.15 U30.1 U30.15 U33.5 U38.1 U38.15 U40.1 U40.15 U123.11
/Executer/BuffSel0: D19.2 U34.6 U49.14
/Executer/BuffSel1: D20.2 U34.9 U49.13
/Executer/CarryIn: U80.7 U96.7 U103.6 U103.10 U107.6 U107.10 U110.6 U110.10 U114.6 U114.10 U114.13
/Executer/clk: U90.11
/Executer/Flag0: U109.7 U111.2
/Executer/Flag3: U79.8 U111.11
/Executer/Flag5: D30.2 U14.1 U98.15 U112.5 U116.7
/Executer/Flag6: U112.14 U113.13
/Executer/FlagOut1: U98.5 U116.3
/Executer/FlagOut2: U98.6 U116.4
/Executer/FlagOut4: U98.12 U116.6
/Executer/IDB0: U5.7 U56.18 U57.18 U64.18 U65.18 U81.3 U82.3 U100.2
/Executer/IDB1: U5.9 U56.17 U57.17 U64.17 U65.17 U81.4 U82.4 U100.3
/Executer/IDB2: U30.7 U56.16 U57.16 U64.16 U65.16 U81.7 U82.7 U100.4
/Executer/IDB3: U30.9 U56.15 U57.15 U64.15 U65.15 U81.8 U82.8 U100.5
/Executer/IDB4: U38.7 U56.14 U57.14 U64.14 U65.14 U81.13 U82.13 U100.6
/Executer/IDB5: U38.9 U56.13 U57.13 U64.13 U65.13 U81.14 U82.14 U100.7
/Executer/IDB6: U40.7 U56.12 U57.12 U64.12 U65.12 U81.17 U82.17 U100.8
/Executer/IDB7: U40.9 U56.11 U57.11 U64.11 U65.11 U81.18 U82.18 U100.9
/Executer/IND: U49.9
/Executer/L0: D33.2 U5.6 U50.19
/Executer/L1: D34.2 U5.10 U50.18
/Executer/L2: D35.2 U30.6 U50.17
/Executer/L3: D36.2 U30.10 U50.16
/Executer/L4: D37.2 U38.6 U50.15
/Executer/L5: D38.2 U38.10 U50.14
/Executer/L6: D39.2 U40.6 U50.13
/Executer/L7: D40.2 U40.10 U50.12
/Executer/L8: D41.2 U5.5 U51.19
/Executer/L9: D42.2 U5.11 U51.18
/Executer/L10: D43.2 U30.5 U51.17
/Executer/L11: D44.2 U30.11 U51.16
/Executer/L12: D45.2 U38.5 U51.15
/Executer/L13: D46.2 U38.11 U51.14
/Executer/L14: D47.2 U40.5 U51.13
/Executer/L15: D48.2 U40.11 U51.12
/Executer/L16: D49.2 U5.4 U58.19
/Executer/L17: D50.2 U5.12 U58.18
/Executer/L18: D51.2 U30.4 U58.17
/Executer/L19: D52.2 U30.12 U58.16
/Executer/L20: D53.2 U38.4 U58.15
/Executer/L21: D54.2 U38.12 U58.14
/Executer/L22: D55.2 U40.4 U58.13
/Executer/L23: D56.2 U40.12 U58.12
/Executer/L24: D57.2 U5.3 U59.19
/Executer/L25: D58.2 U5.13 U59.18
/Executer/L26: D59.2 U30.3 U59.17
/Executer/L27: D60.2 U30.13 U59.16
/Executer/L28: D61.2 U38.3 U59.15
/Executer/L29: D62.2 U38.13 U59.14
/Executer/L30: D63.2 U40.3 U59.13
/Executer/L31: D64.2 U40.13 U59.12
/Executer/L32: D65.2 U45.19 U60.6
/Executer/L33: D66.2 U45.18 U60.10
/Executer/L34: D67.2 U45.17 U61.6
/Executer/L35: D68.2 U45.16 U61.10
/Executer/L36: D69.2 U45.15 U62.6
/Executer/L37: D70.2 U45.14 U62.10
/Executer/L38: D71.2 U45.13 U63.6
/Executer/L39: D72.2 U45.12 U63.10
/Executer/L40: D73.2 U52.19 U68.6
/Executer/L41: D74.2 U52.18 U68.10
/Executer/L42: D75.2 U52.17 U69.6
/Executer/L43: D76.2 U52.16 U69.10
/Executer/L44: D77.2 U52.15 U70.6
/Executer/L45: D78.2 U52.14 U70.10
/Executer/L46: D79.2 U52.13 U71.6
/Executer/L47: D80.2 U52.12 U71.10
/Executer/L48: D81.2 U46.19 U60.5
/Executer/L49: D82.2 U46.18 U60.11
/Executer/L50: D83.2 U46.17 U61.5
/Executer/L51: D84.2 U46.16 U61.11
/Executer/L52: D85.2 U46.15 U62.5
/Executer/L53: D86.2 U46.14 U62.11
/Executer/L54: D87.2 U46.13 U63.5
/Executer/L55: D88.2 U46.12 U63.11
/Executer/L56: D89.2 U53.19 U68.5
/Executer/L57: D90.2 U53.18 U68.11
/Executer/L58: D91.2 U53.17 U69.5
/Executer/L59: D92.2 U53.16 U69.11
/Executer/L60: D93.2 U53.15 U70.5
/Executer/L61: D94.2 U53.14 U70.11
/Executer/L62: D95.2 U53.13 U71.5
/Executer/L63: D96.2 U53.12 U71.11
/Executer/L64: D97.2 U47.19 U60.4
/Executer/L65: D98.2 U47.18 U60.12
/Executer/L66: D99.2 U47.17 U61.4
/Executer/L67: D100.2 U47.16 U61.12
/Executer/L68: D101.2 U47.15 U62.4
/Executer/L69: D102.2 U47.14 U62.12
/Executer/L70: D103.2 U47.13 U63.4
/Executer/L71: D104.2 U47.12 U63.12
/Executer/L72: D105.2 U54.19 U68.4
/Executer/L73: D106.2 U54.18 U68.12
/Executer/L74: D107.2 U54.17 U69.4
/Executer/L75: D108.2 U54.16 U69.12
/Executer/L76: D109.2 U54.15 U70.4
/Executer/L77: D110.2 U54.14 U70.12
/Executer/L78: D111.2 U54.13 U71.4
/Executer/L79: D112.2 U54.12 U71.12
/Executer/L80: D113.2 U48.19 U60.3
/Executer/L81: D114.2 U48.18 U60.13
/Executer/L82: D115.2 U48.17 U61.3
/Executer/L83: D116.2 U48.16 U61.13
/Executer/L84: D117.2 U48.15 U62.3
/Executer/L85: D118.2 U48.14 U62.13
/Executer/L86: D119.2 U48.13 U63.3
/Executer/L87: D120.2 U48.12 U63.13
/Executer/L88: D121.2 U55.19 U68.3
/Executer/L89: D122.2 U55.18 U68.13
/Executer/L90: D123.2 U55.17 U69.3
/Executer/L91: D124.2 U55.16 U69.13
/Executer/L92: D125.2 U55.15 U70.3
/Executer/L93: D126.2 U55.14 U70.13
/Executer/L94: D127.2 U55.13 U71.3
/Executer/L95: D128.2 U55.12 U71.13
/Executer/MISC0: D22.2 U34.15 U115.2
/Executer/MISC1: D23.2 U34.16 U115.3
/Executer/RegCtrl10: D11.2 U33.6 U60.14 U61.14 U62.14 U63.14 U68.14 U69.14 U70.14 U71.14
/Executer/RegCtrl11: D12.2 U33.9 U60.2 U61.2 U62.2 U63.2 U68.2 U69.2 U70.2 U71.2
/Executer/RegCtrl12: D13.2 U33.12 U44.6
/Executer/RegCtrl13: D14.2 U33.15 U44.1
/Executer/RegCtrl14: D15.2 U33.16 U44.2
/Executer/RegCtrl15: D16.2 U33.19 U44.3
/Executer/RegCtrl16: D17.2 U34.2 U111.1 U112.1
/Executer/RegCtrl17: D18.2 U34.5 U98.1
/Executer/tNL1: U76.3 U76.6 U76.10 U76.13 U87.3 U87.6 U87.10 U87.13 U120.4
/Executer/tNL2: U77.3 U77.6 U77.10 U77.13 U88.3 U88.6 U88.10 U88.13 U120.2
/Executer/WB_A0: U44.11 U45.11 U52.11
/Executer/WB_A1: U44.10 U46.11 U53.11
/Executer/WB_CP: U44.9 U47.11 U54.11
/Executer/WB_R0: U44.15 U50.11
/Executer/WB_R1: U44.14 U51.11
/Executer/WB_R2: U44.13 U58.11
/Executer/WB_R3: U44.12 U59.11
/Executer/WB_SP: U44.7 U48.11 U55.11
/Executer/WRO0: U57.2 U60.7 U78.2
/Executer/WRO1: U57.3 U60.9 U78.5
/Executer/WRO2: U57.4 U61.7 U78.10
/Executer/WRO3: U57.5 U61.9 U78.13
/Executer/WRO4: U57.6 U62.7 U85.2
/Executer/WRO5: U57.7 U62.9 U85.5
/Executer/WRO6: U57.8 U63.7 U85.10
/Executer/WRO7: U57.9 U63.9 U85.13
/Executer/WRO8: U65.2 U68.7 U89.2
/Executer/WRO9: U65.3 U68.9 U89.5
/Executer/WRO10: U65.4 U69.7 U89.10
/Executer/WRO11: U65.5 U69.9 U89.13
/Executer/WRO12: U65.6 U70.7 U95.2
/Executer/WRO13: U65.7 U70.9 U95.5
